# KiCad board pedalboard-hw.kicad_pcb (continued)
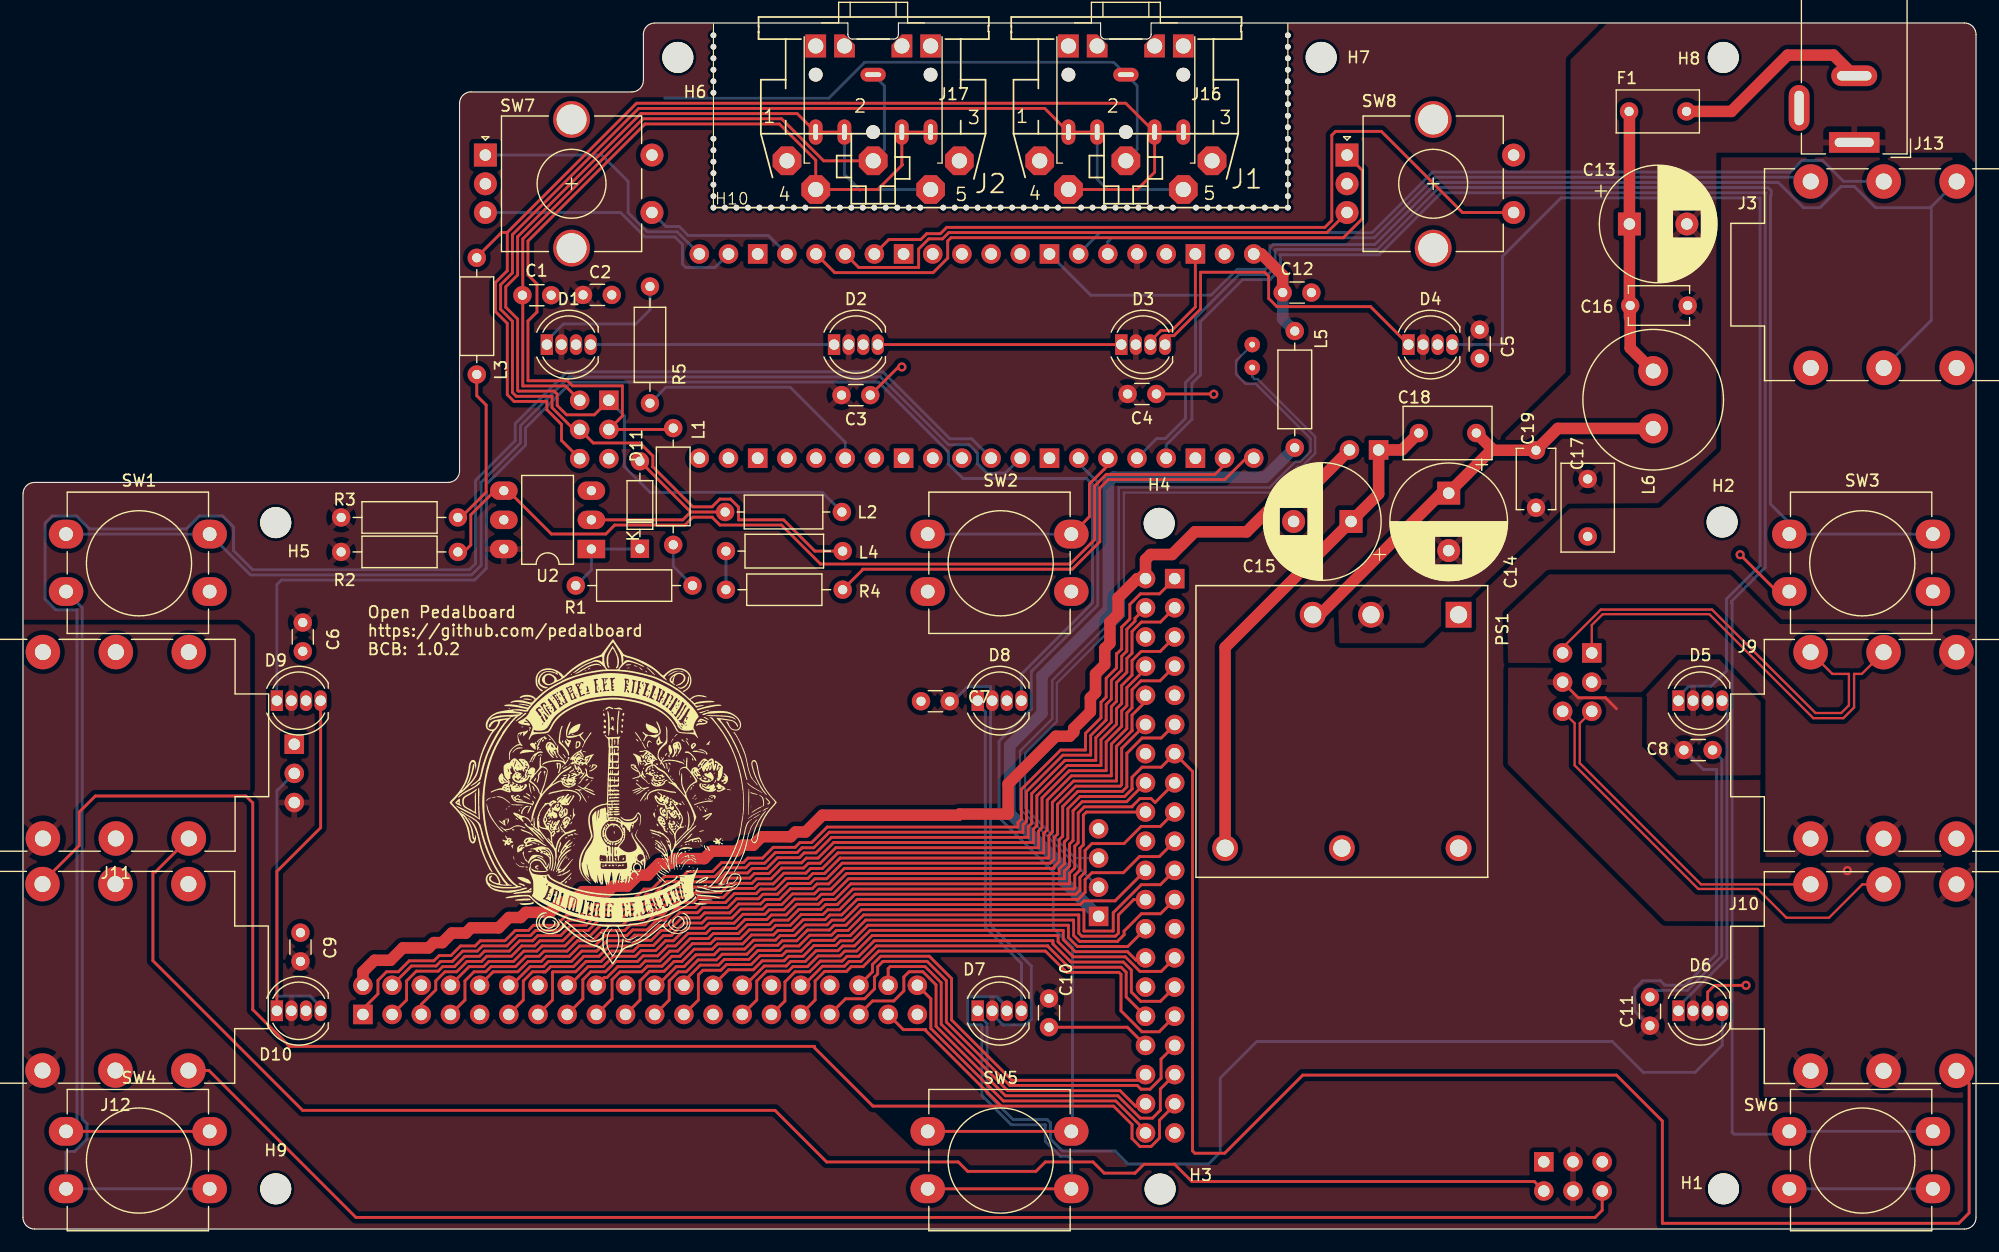
[diagram p0: board, top side]
## Nets
+3.3V: C2.1 C3.1 C4.1 C5.1 C6.1 C7.1 C8.1 C9.1 C10.1 C11.1 D1.2 D2.2 D3.2 D4.2 D5.2 D6.2 D7.2 D8.2 D9.2 D10.2 J4.3 R2.1 R3.1 U1.36 U2.6
+5VP: J7.2 J8.2 J14.2
/Audio/GND_in_L: J8.44 J10.RN J10.S J10.TN
/Audio/GND_in_R: J8.43 J9.RN J9.S J9.TN
/Audio/GND_out: J8.49 J8.50 J11.S J12.S
/MIDI/VBUS-flitered: C12.1 L5.1 U1.40
/Power Supply/vin: C14.1 C17.1 C18.1 L6.2 PS1.3
/VBUS: J6.1 L5.2
GND: C1.2 C2.2 C3.2 C4.2 C5.2 C6.2 C7.2 C8.2 C9.2 C10.2 C11.2 C12.2 C15.2 C19.1 D1.3 D2.3 D3.3 D4.3 D5.3 D6.3 D7.3 D8.3 D9.3 D10.3 J1.2 J4.1 J6.4 J7.6 J7.9 J7.14 J7.20 J7.25 J7.30 J7.34 J7.39 J8.6 J8.9 J8.14 J8.20 J8.25 J8.30 J8.34 J8.39 J15.5 J16.S PS1.6 SW1.2 SW2.2 SW3.2 SW4.2 SW5.2 SW6.2 SW7.C SW7.S2 SW8.C SW8.S2 U1.3 U1.8 U1.13 U1.18 U1.23 U1.28 U1.38 U2.5
/Audio/audio_in_stereo: J7.13 J8.13 J10.SN
/Audio/audio_out_stereo: J7.37 J8.37 J12.SN
/Audio/audio_pcm_clk: J7.12 J8.12
/Audio/audio_pcm_din: J7.38 J8.38
/Audio/audio_pcm_dout: J7.40 J8.40
/Audio/audio_pcm_fs: J7.35 J8.35
/Audio/conf_i2c_scl: J7.5 J8.5
/Audio/conf_i2c_sda: J7.3 J8.3
/Audio/in_L+: J8.45 J10.T
/Audio/in_L-: J8.46 J10.R
/Audio/in_R+: J8.42 J9.T
/Audio/in_R-: J8.41 J9.R
/Audio/USB_DN: J5.1 J6.2
/Audio/USB_DP: J5.2 J6.3
/MIDI/RGB_DATA: R5.1 U1.15
/MIDI/ROT_GAIN_A: SW8.A U1.25
/MIDI/ROT_GAIN_B: SW8.B U1.26
/MIDI/ROT_VOL_A: SW7.A U1.21
/MIDI/ROT_VOL_B: SW7.B U1.22
/MIDI/SW_A: SW4.1 U1.10
/MIDI/SW_B: SW5.1 U1.7
/MIDI/SW_C: SW6.1 U1.4
/MIDI/SW_D: SW1.1 U1.9
/MIDI/SW_E: SW2.1 U1.6
/MIDI/SW_F: SW3.1 U1.5
/MIDI/SW_GAIN: SW8.S1 U1.27
/MIDI/SW_VOL: SW7.S1 U1.24
/Power Supply/fused: C13.1 C16.1 F1.2 L6.1
/Power Supply/power_input_gnd: C13.2 C14.2 C16.2 C17.2 C19.2 J13.1 PS1.2
/Power Supply/unfused: F1.1 J13.2
/Power Supply/vo: C15.1 C18.2 J14.1 PS1.4
Net-(D1-DIN): D1.1 R5.2
Net-(D1-DOUT): D1.4 D2.1
Net-(D2-DOUT): D2.4 D3.1
Net-(D3-DOUT): D3.4 D4.1
Net-(D4-DOUT): D4.4 D5.1
Net-(D5-DOUT): D5.4 D6.1
Net-(D6-DOUT): D6.4 D7.1
Net-(D7-DOUT): D7.4 D8.1
Net-(D8-DOUT): D8.4 D9.1
Net-(D10-DIN): D9.4 D10.1
Net-(D10-DOUT): D10.4 J4.2
Net-(D11-A): D11.2 L2.2 U2.2
Net-(D11-K): D11.1 R1.2 U2.1
Net-(J7-3V3-Pad1): J7.1 J8.1
Net-(J7-3V3-Pad17): J7.17 J8.17
Net-(J7-5V-Pad4): J7.4 J8.4
Net-(J7-GCLK0/GPIO4): J7.7 J8.7
Net-(J7-GCLK1/GPIO5): J7.29 J8.29
Net-(J7-GCLK2/GPIO6): J7.31 J8.31
Net-(J7-GPIO14/TXD): J7.8 J8.8
Net-(J7-GPIO15/RXD): J7.10 J8.10
Net-(J7-GPIO16): J7.36 J8.36
Net-(J7-GPIO17): J7.11 J8.11
Net-(J7-GPIO22): J7.15 J8.15
Net-(J7-GPIO23): J7.16 J8.16
Net-(J7-GPIO24): J7.18 J8.18
Net-(J7-GPIO25): J7.22 J8.22
Net-(J7-ID_SC/GPIO1): J7.28 J8.28
Net-(J7-ID_SD/GPIO0): J7.27 J8.27
Net-(J7-MISO0/GPIO9): J7.21 J8.21
Net-(J7-MOSI0/GPIO10): J7.19 J8.19
Net-(J7-PWM0/GPIO12): J7.32 J8.32
Net-(J7-PWM1/GPIO13): J7.33 J8.33
Net-(J7-SCLK0/GPIO11): J7.23 J8.23
Net-(J7-~{CE0}/GPIO8): J7.24 J8.24
Net-(J7-~{CE1}/GPIO7): J7.26 J8.26
Net-(J8-out_L): J8.52 J12.T
Net-(J8-out_R): J8.48 J11.T
Net-(J15-Pin_1): J2.5 J15.1 J17.T J17.TN L2.1
Net-(J15-Pin_2): C1.1 J2.2 J15.2 J17.S
Net-(J15-Pin_3): J2.4 J15.3 J17.R J17.RN L1.1
Net-(J15-Pin_4): J1.5 J15.4 J16.T J16.TN L4.1
Net-(J15-Pin_6): J1.4 J15.6 J16.R J16.RN L3.1
Net-(L1-Pad2): L1.2 R1.1
Net-(L3-Pad2): L3.2 R3.2
Net-(L4-Pad2): L4.2 R4.1
Net-(U1-ADC_VREF): J3.T U1.35
Net-(U1-AGND): J3.RN J3.S U1.33
Net-(U1-GPIO0): R4.2 U1.1
Net-(U1-GPIO1): R2.2 U1.2 U2.4
Net-(U1-GPIO28_ADC2): J3.R U1.34

Pads without a net: J1 1 3 PE PE1 PE2 PE@; J2 1 3 PE PE1 PE2 PE@; J3 SN TN; J8 47 51; J9 SN; J11 R RN SN TN; J12 R RN TN; J13 3; PS1 1 5; SW7 MP; SW8 MP; U1 11 12 14 16 17 19 20 29 30 31 32 37 39; U2 3

## Via types
v1: diameter 0.8, hole 0.4, Top to Bottom, 5 vias

## Routing (per net, layer and track width the routed paths; a pad name or vN(x,y) marks a point on that pad's centre or on a via; arc(x,y) is an arc through that point)
+3.3V: length 69.8
  Bottom w0.25: C8.1 146.26,40.01 147.42,40.01 147.42,23.96 144.69,21.23 142.92,21.23 142.52,21.62 140.93,21.62 ; 141.62,17.63 140.3,18.95 140.3,20.92 140.93,21.55 ; 81.28,46.27 82.24,47.22 84.21,47.22 84.21,26.46 87.77,22.9 87.77,18.28 87.27,17.78 85.28,17.78 84.37,18.69
+5VP: length 112.8
  Top w1: J7.2 29.59,22.39 30.6,23.4 31.99,23.4 33.06,24.47 35.3,24.47 35.76,24.94 36.5,24.94 37.34,25.77 38.56,25.77 39.01,26.22 41.4,26.22 42.3,27.12 43.32,27.12 43.77,27.57 45.9,27.57 46.8,28.47 47.8,28.47 48.7,29.37 50.9,29.37 51.39,29.86 52.6,29.86 53.56,30.82 54.38,30.82 55.38,31.81 56.31,31.81 56.74,32.25 59.3,32.25 59.95,32.9 62.12,32.9 62.64,33.42 63.57,33.42 64.3,34.15 66.82,34.15 67.24,34.57 68.12,34.57 69.58,36.03 81.42,36.03 81.53,36.12 85.75,36.12 85.75,38.75 89.9,42.9 91.1,42.9 91.46,43.26 91.46,43.58 92.91,45.03 92.91,46.25 93.36,46.7 93.36,48.33 94.16,49.13 94.16,50.54 94.61,50.99 94.61,52.83 95.32,53.54 95.32,54.95 97,56.62 J8.2 ; J14.2 111.49,63.85 109.67,63.85 106.52,60.7 102,60.7 100.02,58.72 98.15,58.72 97.71,58.28 97.71,56.73
/Audio/GND_in_L: length 5.6
  Top w0.25: 138.7,45.3 137.75,46.25 135.38,46.25 J8.44
  vias: v1(158.8,31.2)
/MIDI/VBUS-flitered: length 8.6
  Top w1: U1.40 107.8,84.89 109.65,83.04 C12.1
  Bottom w1: L5.1 109.64,79.24 109.64,79.69 109.65,79.69 C12.1
/Power Supply/vin: length 37.6
  Top w1: 123.97,64.07 123.47,64.07 112.88,53.48 ; 127.8,67.8 C17.1 133.6,69.7 L6.2 ; 127.8,67.8 124.1,64.1 ; 127.8,67.8 127.8,68 C18.1
/VBUS: length 62
  Bottom w1: L5.2 108.14,65.46 94.92,65.46 94.47,65.01 94.47,53.93 88.69,48.15 88.69,44.9 85.89,42.09 85.89,36.18 90.6,31.47 90.6,30.24 J6.1
GND: length 233.2
  Top w0.25: v1(76.5,75.05) 76.2,75.05 C3.2 ; SW5.2 SW5.2 ; v1(149.47,58.71) 152.67,55.5 ; v1(149.98,21.22) 147.23,21.22 146.64,20.62 D6.3 ; J8.34 96.12,17.57 C10.2 ; U1.38 102.05,80.28 100,78.22 99.05,78.22 98.14,77.31 ; v1(103.65,72.68) 103.63,72.7 C4.2
  Bottom w0.25: 55.86,98.46 70.15,98.46 73.27,101.58 94.92,101.58 J16.S 96.97,99.53 96.97,93.97 J1.2 ; 84.73,20.22 85.64,19.31 ; C11.2 142.2,20.78 144.88,20.78 147.87,23.77 147.87,40.9 C8.2 ; SW1.2 5.15,54.1 5.15,9.58 5.57,9.15 5.57,7.85 4.49,6.76 3.84,6.76 3.75,6.67 SW4.2 SW4.2 ; 85.64,19.36 84.78,20.22 82.24,20.22 82.24,17.78 83.38,17.78 83.47,17.68 83.47,11.62 86.02,9.07 88.97,9.07 88.97,7.66 90.3,6.34 90.98,6.34 91.25,6.07 SW5.2 ; SW6.2 SW6.2
/Audio/audio_in_stereo: length 199.2
  Top w0.25: J7.13 46.09,19.94 46.09,22.37 46.11,22.39 48.11,22.39 49.01,23.3 50.32,23.3 51.22,24.19 53.12,24.19 53.61,24.68 54.88,24.68 55.74,25.55 56.43,25.55 57.52,26.64 59.09,26.64 59.53,27.07 61.7,27.07 62.48,27.85 64.39,27.85 64.78,28.25 66.05,28.25 66.98,29.18 68.89,29.18 69.3,29.59 70.33,29.59 71.68,30.95 90.2,30.95 90.2,31.35 90.65,31.8 90.65,33.71 90.95,34.01 90.95,36.6 92.01,37.65 95.88,37.65 96.56,38.33 96.53,38.36 96.53,39.33 97.41,40.21 99.08,40.21 J8.13 101.8,39.83 101.8,6.8 102,6.6 104.6,6.6 111.4,13.4 138.7,13.4 142.7,9.4 142.7,0.5 168.5,0.5 169.4,1.4 169.4,12.67 168.3,13.78
/Audio/audio_out_stereo: length 142.9
  Top w0.25: 85.15,10.7 78.58,17.28 78.58,17.36 76.63,17.36 J7.37 ; 85.15,10.7 73.98,10.7 68.9,15.78 68.9,15.9 23.2,15.9 20,19.1 20,37.1 19.4,37.7 6.3,37.7 4.9,36.3 4.9,33.4 1.7,30.2 ; 85.15,10.7 94.93,10.7 96.53,9.1 96.53,7.88 97.22,7.19 98.2,7.19 98.92,7.92 98.92,9.47 100.25,10.8
/Audio/audio_pcm_clk: length 69.1
  Top w0.25: 42.53,21.22 44.16,22.84 45.29,22.84 45.74,23.3 47.73,23.3 48.63,24.19 49.94,24.19 50.84,25.09 52.75,25.09 53.24,25.58 54.51,25.58 55.37,26.44 56.05,26.44 57.15,27.54 58.72,27.54 59.15,27.97 61.33,27.97 62.11,28.75 64.01,28.75 64.41,29.14 65.67,29.14 66.61,30.08 68.51,30.08 68.93,30.5 69.95,30.5 71.31,31.85 89.42,31.85 89.75,32.18 89.75,34.08 90.05,34.38 90.05,36.97 91.63,38.55 95.51,38.55 95.63,38.68 95.63,41.85 J8.12
/Audio/audio_pcm_din: length 30.9
  Top w0.25: 97.51,10.7 96.84,10.7 95.49,12.05 85.71,12.05 79.92,17.83 79.92,21.44 78.52,22.85 75.49,22.85 75.31,22.67 J7.38
/Audio/audio_pcm_dout: length 26.6
  Top w0.25: 97.71,8.56 95.12,11.15 85.34,11.15 79.03,17.46 79.03,20.05 J7.40
/Audio/audio_pcm_fs: length 39.8
  Top w0.25: J7.35 73.94,19.86 75.8,19.86 76.67,20.73 76.67,21.95 77.13,22.4 78.33,22.4 79.47,21.26 79.47,17.65 85.52,11.6 95.3,11.6 97.25,9.65 98.31,9.65 99,10.34 99,12.19 J8.35
/Audio/conf_i2c_scl: length 86.1
  Top w0.25: J7.5 34.67,19.56 35.93,20.82 35.93,21.6 36.72,22.39 37.75,22.39 38.65,23.3 39.92,23.3 40.37,23.75 42.51,23.75 43.41,24.64 44.55,24.64 45,25.09 46.99,25.09 47.89,26 49.2,26 50.1,26.89 52,26.89 52.49,27.38 53.76,27.38 54.62,28.25 55.31,28.25 56.4,29.34 57.97,29.34 58.41,29.77 60.59,29.77 61.36,30.55 63.27,30.55 63.66,30.94 64.93,30.94 65.86,31.88 67.77,31.88 68.18,32.3 69.21,32.3 70.56,33.65 87.95,33.65 87.95,34.83 88.25,35.13 88.25,37.72 90.89,40.35 93.83,40.35 93.83,42.59 95.19,43.94 95.19,45.3 95.64,45.75 95.64,47.32 96.53,48.22 96.53,49.49 97.33,50.28 98.99,50.28 J8.5
/Audio/conf_i2c_sda: length 90.5
  Top w0.25: J8.3 99.01,52.84 97.35,52.84 96.53,52.03 96.53,50.13 96.08,49.68 96.08,48.48 95.19,47.58 95.19,45.94 94.73,45.49 94.73,44.13 93.38,42.78 93.38,40.8 90.7,40.8 87.8,37.9 87.8,35.31 87.5,35.01 87.5,34.1 70.38,34.1 69.02,32.75 68,32.75 67.58,32.33 65.68,32.33 64.74,31.39 63.48,31.39 63.08,31 61.18,31 60.4,30.22 58.22,30.22 57.79,29.79 56.22,29.79 55.12,28.69 54.43,28.69 53.57,27.83 52.31,27.83 51.82,27.34 49.91,27.34 49.01,26.44 47.7,26.44 46.8,25.55 44.81,25.55 44.36,25.09 43.22,25.09 42.33,24.2 40.18,24.2 39.73,23.75 38.46,23.75 37.56,22.84 36.54,22.84 36.14,22.45 34.24,22.45 33.39,21.6 33.39,19.94 J7.3
/Audio/in_L+: length 29.4
  Top w0.2: J8.45 135.51,44.03 135.51,40.56 146.06,30 J10.T
/Audio/in_L-: length 38.7
  Top w0.2: J8.46 135.06,44.03 135.06,40.37 145.83,29.61 151,29.61 153.5,27.1 157.2,27.1 160.1,30 J10.R
/Audio/in_R+: length 37.2
  Top w0.2: J9.T 157.49,48.33 158.94,48.33 158.94,45.59 158.27,44.92 156.02,44.92 147.02,53.93 137.34,53.93 134.01,50.61
/Audio/in_R-: length 36.1
  Top w0.2: J9.R 160.06,48.33 159.38,48.33 159.38,45.41 158.45,44.47 155.84,44.47 146.78,53.53 137.51,53.53 136.56,52.58 J8.41
/Audio/USB_DN: length 72.3
  Bottom w0.2: J6.2 91.5,31.88 91.46,31.88 86.78,36.56 86.78,41.6 89.59,44.41 89.59,47.78 95.38,53.56 95.38,64.56 108.51,64.56 110.76,66.81 111.18,66.81 112.08,67.7 112.08,68.81 107.31,73.59 106.42,73.59 105.59,74.42 105.59,75.59 J5.1
/Audio/USB_DP: length 67.2
  Bottom w0.2: J5.2 107,74.2 107.21,73.99 107.47,73.99 112.48,68.98 112.48,67.54 111.3,66.35 110.94,66.35 108.7,64.11 95.82,64.11 95.82,53.37 90,47.54 90,44.18 87.23,41.42 87.23,36.67 91.61,32.3 J6.3
/MIDI/RGB_DATA: length 20.9
  Bottom w0.25: U1.15 71.57,68.5 66.78,73.28 55.97,73.28 R5.1
/MIDI/ROT_GAIN_A: length 57.1
  Top w0.25: U1.25 70.66,83.27 79.23,83.27 80.49,84.53 80.49,86.02 80.77,86.3 114.93,86.3 116.57,87.95 116.57,92.17 SW8.A
/MIDI/ROT_GAIN_B: length 47.1
  Top w0.25: U1.26 72.75,83.72 77.96,83.72 77.96,85.32 78.84,86.21 80.04,86.21 80.59,86.75 113.5,86.75 SW8.B
/MIDI/ROT_VOL_A: length 23.8
  Bottom w0.25: SW7.A 50.38,93.5 52.67,91.2 52.67,88.47 54.33,86.83 56.94,86.83 U1.21
/MIDI/ROT_VOL_B: length 24.6
  Bottom w0.25: U1.22 60.23,83.72 57.69,83.72 57.4,84.01 57.4,85.72 56.75,86.38 54.14,86.38 52.01,88.5 SW7.B
/MIDI/SW_A: length 170.1
  Top w0.25: SW4.1 SW4.1
  Bottom w0.25: U1.10 82.58,68.8 80.68,68.8 74.84,74.63 47.36,74.63 42.85,70.12 42.85,68.62 42.84,68.62 39.38,65.17 39.38,57.92 38.86,57.4 19.99,57.4 18.33,59.06 18.33,61.12 17.38,62.08 15.35,62.08 14.22,60.95 5.78,60.95 4.65,62.08 2.54,62.08 1.93,61.46 1.93,54.85 2.86,53.91 4.7,53.91 4.7,9.45 SW4.1
/MIDI/SW_B: length 77.5
  Top w0.25: SW5.1 SW5.1
  Bottom w0.25: 91.35,8.6 91.35,24.52 89.68,26.19 89.68,31.08 84.96,35.8 84.96,42.47 87.77,45.28 87.77,48.53 93.55,54.31 93.55,65.01 91.89,66.67
/MIDI/SW_C: length 168.1
  Bottom w0.25: SW6.1 SW6.1 ; 153.51,8.26 148.93,8.26 148.77,8.42 148.77,54.48 148.72,54.52 148.72,54.66 151.65,57.59 151.65,90.15 151.72,90.22 123.46,90.22 118.06,84.82 109.44,84.82 109.44,83.56 108.56,82.67 108.56,82.66 106.17,82.66 102.5,79 102.5,74.37 101.75,73.62 101.75,70.5 99.5,68.25 99.5,67.12
/MIDI/SW_D: length 101.3
  Bottom w0.25: SW1.1 SW1.1 19.8,56.95 39.05,56.95 39.88,57.78 39.88,65.02 43.3,68.44 43.3,69.94 47.55,74.19 74.66,74.19 80.56,68.28 82.33,68.28 83.09,67.52 83.09,66.62 83.91,65.81 85.51,65.81 U1.9
/MIDI/SW_E: length 19.8
  Top w0.25: 91.31,60.5 92.83,62.02 92.83,64.87 94.11,66.15 94.11,66.15 94.43,66.47
  Bottom w0.25: SW2.1 SW2.1
/MIDI/SW_F: length 112.7
  Bottom w0.25: U1.5 98.68,68.82 99.43,68.82 101.18,70.57 101.18,73.69 102.06,74.56 102.06,79.3 105.86,83.11 108.35,83.11 108.99,83.74 108.99,85.24 109.02,85.27 117.87,85.27 123.27,90.67 151.9,90.67 152.17,90.41 152.17,90.03 152.1,89.97 152.1,63.12 153.75,61.47 ; SW3.1 SW3.1
/MIDI/SW_GAIN: length 67.3
  Top w0.25: U1.27 75.37,86.15 78.15,86.15 78.66,86.66 79.85,86.66 80.4,87.2 113.32,87.2 113.93,87.81 113.93,95.23 114.25,95.56 118.24,95.56 125.3,88.5 SW8.S1
/MIDI/SW_VOL: length 13.2
  Bottom w0.25: U1.24 64.88,86.5 57.9,86.5 57.12,87.28 55.97,87.28 SW7.S1
/Power Supply/fused: length 23.5
  Top w1: 139.83,86.6 139.83,79.37 ; C13.1 139.83,97.27 ; L6.1 139.9,76.7 C16.1
/Power Supply/unfused: length 17.3
  Top w1: J13.2 157.6,102.2 153.6,102.2 148.7,97.3 144.9,97.3
/Power Supply/vo: length 44.3
  Top w1: PS1.4 104.64,50.64 C15.1 118,64 J14.1 120.03,67.83 C18.2
Net-(D1-DIN): length 12.1
  Bottom w0.25: R5.2 54.58,80.03 53.35,78.8 47.03,78.8 45.6,77.37
Net-(D1-DOUT): length 21.2
  Bottom w0.25: D1.4 D2.1
Net-(D2-DOUT): length 21.2
  Top w0.25: D2.4 D3.1
Net-(D3-DOUT): length 29.9
  Top w0.25: D3.4 99.41,77.78 100.19,77.78 102.5,80.09 102.5,83.3 108.08,83.3 108.43,82.96 108.43,81.02 109.14,80.31 117.29,80.31 D4.1
Net-(D4-DOUT): length 84.1
  Bottom w0.25: D4.4 128.79,77 128.79,84.69 133.87,89.77 151.2,89.77 151.2,57.77 148.28,54.85 148.28,48.58 146.95,47.26 145,47.26 144.1,46.36
Net-(D5-DOUT): length 28.6
  Bottom w0.25: D5.4 148.32,45.59 148.32,23.58 144.1,19.36
Net-(D6-DOUT): length 87.9
  Bottom w0.25: 141.09,13.65 145.56,13.65 147.91,16 D6.4 ; 95.11,6.72 96.18,5.66 103.2,5.66 104.21,6.66 104.21,13.14 107.41,16.33 138.33,16.33 141.09,13.58 ; 95.11,6.79 90.48,6.79 89.42,7.85 89.42,9.26 89.16,9.52 86.21,9.52 83.92,11.81 83.92,17.87 83.1,18.69
Net-(D7-DOUT): length 27.7
  Bottom w0.25: D7.4 86.91,23.12 83.76,26.27 83.76,45.03 83.51,45.28
Net-(D8-DOUT): length 119.3
  Bottom w0.25: D8.4 86.91,48.31 93.1,54.5 93.1,64.82 92.57,65.35 81.82,65.35 80.56,66.61 80.56,67.65 74.47,73.73 47.73,73.73 43.75,69.75 43.75,68.25 40.33,64.83 40.33,57.52 39.31,56.5 22.5,56.5 22.1,56.1 D9.1
Net-(D10-DIN): length 28.6
  Top w0.25: D10.1 22.1,31.13 25.91,34.94 D9.4
Net-(D10-DOUT): length 24.2
  Bottom w0.25: 22.1,38.2 22.1,20.28 24.99,20.28 25.91,19.36 ; J4.2 22.15,38.2
Net-(D11-A): length 18.2
  Top w0.25: D11.2 58.12,62.42 ; 58.12,62.42 57.44,61.74 U2.2 ; 58.12,62.42 L2.2
Net-(D11-K): length 7.9
  Bottom w0.25: 53.67,59.2 U2.1 49.47,57.38 R1.2
Net-(J7-3V3-Pad1): length 93.8
  Top w0.25: 29.59,19.16 30.9,20.47 30.9,21.65 31.64,22.39 32.67,22.39 33.62,23.35 35.77,23.35 36.23,23.81 37.25,23.81 38.09,24.64 39.36,24.64 39.81,25.1 41.96,25.1 42.85,26 43.99,26 44.44,26.44 46.43,26.44 47.33,27.34 48.64,27.34 49.54,28.25 51.44,28.25 51.93,28.73 53.2,28.73 54.06,29.59 54.75,29.59 55.84,30.69 57.41,30.69 57.85,31.12 60.03,31.12 60.8,31.9 62.71,31.9 63.1,32.3 64.37,32.3 65.3,33.23 67.21,33.23 67.62,33.64 68.65,33.64 70,35 86.6,35 86.6,35.38 86.9,35.68 86.9,38.28 90.33,41.7 92.48,41.7 92.48,43.15 93.83,44.5 93.83,45.86 94.28,46.31 94.28,47.95 95.19,48.85 95.19,50.12 ; J8.1 98.93,55.3 97.26,55.3 96.34,54.38 96.34,53.11 95.64,52.4 95.64,50.5 95.19,50.05
Net-(J7-3V3-Pad17): length 60.4
  Top w0.25: J8.17 99,35.05 97.33,35.05 95.84,33.56 93.05,33.56 92.45,32.96 92.45,31.06 92,30.61 92,29.5 91.65,29.15 72.43,29.15 71.07,27.8 70.05,27.8 69.63,27.38 67.73,27.38 66.79,26.44 65.53,26.44 65.13,26.05 63.23,26.05 62.45,25.27 60.27,25.27 59.84,24.84 58.27,24.84 57.17,23.75 56.48,23.75 55.62,22.88 54.36,22.88 53.87,22.39 51.96,22.39 51.28,21.71 51.28,20.05 J7.17
Net-(J7-5V-Pad4): length 85.8
  Top w0.25: J7.4 33.81,22.9 35.96,22.9 36.35,23.3 37.38,23.3 38.28,24.19 39.54,24.19 40,24.65 42.14,24.65 43.04,25.55 44.17,25.55 44.62,26 46.62,26 47.52,26.89 48.83,26.89 49.73,27.8 51.63,27.8 52.12,28.28 53.39,28.28 54.25,29.14 54.94,29.14 56.03,30.24 57.6,30.24 58.03,30.67 60.21,30.67 60.99,31.45 62.89,31.45 63.29,31.84 64.56,31.84 65.49,32.78 67.39,32.78 67.81,33.19 68.84,33.19 70.19,34.55 87.05,34.55 87.05,35.2 87.35,35.5 87.35,38.09 90.51,41.25 92.93,41.25 92.93,42.97 94.28,44.32 94.28,45.68 94.73,46.13 94.73,47.76 95.64,48.66 95.64,49.86 96.08,50.31 96.08,52.22 96.79,52.93 96.79,53.17 J8.4
Net-(J7-GCLK0/GPIO4): length 82.4
  Top w0.25: J8.7 98.97,47.72 97.31,47.72 96.53,46.95 96.53,45.38 96.08,44.93 96.08,43.57 94.73,42.22 94.73,39.45 91.26,39.45 89.15,37.34 89.15,34.75 88.85,34.45 88.85,32.75 70.94,32.75 69.58,31.39 68.56,31.39 68.14,30.98 66.24,30.98 65.3,30.05 64.03,30.05 63.64,29.65 61.74,29.65 60.96,28.87 58.78,28.87 58.35,28.44 56.78,28.44 55.68,27.34 54.99,27.34 54.13,26.48 52.87,26.48 52.38,26 50.47,26 49.57,25.09 48.26,25.09 47.36,24.19 45.37,24.19 44.92,23.75 43.78,23.75 42.88,22.84 40.74,22.84 40.29,22.39 39.26,22.39 38.47,21.6 38.47,19.94 J7.7
Net-(J7-GCLK1/GPIO5): length 42.7
  Top w0.25: J7.29 66.33,19.86 66.33,21.52 67.2,22.39 68.47,22.39 69.4,23.33 71.31,23.33 71.72,23.75 72.75,23.75 74.1,25.1 89.65,25.1 89.65,24.82 91.22,23.25 95.77,23.25 96.48,22.54 96.48,20.64 97.29,19.83 99.01,19.83 J8.29
Net-(J7-GCLK2/GPIO6): length 41.1
  Top w0.25: J7.31 68.95,19.94 68.95,21.6 69.78,22.43 71.68,22.43 72.1,22.84 73.12,22.84 74.48,24.2 88.99,24.2 90.85,22.34 95.4,22.34 95.58,22.17 95.58,19 97.4,17.17 98.9,17.17 J8.31
Net-(J7-GPIO14/TXD): length 77.5
  Top w0.25: J7.8 38.84,22.84 40.1,22.84 40.56,23.3 42.7,23.3 43.6,24.19 44.73,24.19 45.18,24.64 47.18,24.64 48.08,25.55 49.39,25.55 50.29,26.44 52.19,26.44 52.68,26.93 53.95,26.93 54.81,27.8 55.5,27.8 56.59,28.89 58.16,28.89 58.59,29.32 60.77,29.32 61.55,30.1 63.45,30.1 63.85,30.5 65.12,30.5 66.05,31.43 67.95,31.43 68.37,31.84 69.39,31.84 70.75,33.2 88.4,33.2 88.4,34.64 88.7,34.94 88.7,37.53 91.07,39.9 94.28,39.9 94.28,42.41 95.64,43.76 95.64,45.12 96.08,45.57 96.08,47.14 97.71,48.76
Net-(J7-GPIO15/RXD): length 73.4
  Top w0.25: J7.10 40.92,22.39 43.07,22.39 43.97,23.3 45.11,23.3 45.56,23.75 47.55,23.75 48.45,24.64 49.76,24.64 50.66,25.55 52.56,25.55 53.05,26.03 54.32,26.03 55.18,26.89 55.87,26.89 56.96,27.99 58.53,27.99 58.97,28.42 61.15,28.42 61.92,29.2 63.83,29.2 64.22,29.59 65.49,29.59 66.42,30.53 68.33,30.53 68.74,30.94 69.77,30.94 71.12,32.3 89.24,32.3 89.3,32.36 89.3,34.27 89.6,34.57 89.6,37.16 91.45,39 95.18,39 95.18,42.04 96.56,43.41 96.53,43.44 96.53,44.74 97.71,45.92
Net-(J7-GPIO16): length 32.5
  Top w0.25: J7.36 73.94,22.39 73.94,23.03 74.66,23.75 78.89,23.75 80.83,21.82 80.83,18.21 86.08,12.95 97.22,12.95
Net-(J7-GPIO17): length 73.8
  Top w0.25: J8.11 99.08,42.75 97.41,42.75 96.08,41.42 96.08,38.49 95.7,38.1 91.82,38.1 90.5,36.79 90.5,34.19 90.2,33.89 90.2,31.99 89.75,31.54 89.75,31.4 71.49,31.4 70.14,30.05 69.11,30.05 68.7,29.63 66.8,29.63 65.86,28.69 64.59,28.69 64.2,28.3 62.3,28.3 61.52,27.52 59.34,27.52 58.91,27.09 57.34,27.09 56.24,26 55.55,26 54.69,25.13 53.42,25.13 52.93,24.64 51.03,24.64 50.13,23.75 48.82,23.75 47.92,22.84 45.93,22.84 45.47,22.38 45.33,22.38 45.32,22.39 44.34,22.39 43.55,21.6 43.55,19.94 J7.11
Net-(J7-GPIO22): length 65.7
  Top w0.25: J7.15 48.73,20.05 48.73,21.71 49.42,22.39 50.69,22.39 51.59,23.3 53.49,23.3 53.98,23.78 55.25,23.78 56.11,24.64 56.8,24.64 57.9,25.74 59.47,25.74 59.9,26.17 62.08,26.17 62.85,26.95 64.76,26.95 65.15,27.34 66.42,27.34 67.35,28.28 69.26,28.28 69.67,28.69 70.7,28.69 72.05,30.05 91.1,30.05 91.1,30.98 91.55,31.43 91.55,33.33 91.85,33.63 91.85,36.23 92.38,36.75 96.53,36.75 96.53,36.79 97.22,37.48 98.2,37.48 98.54,37.14 J8.15
Net-(J7-GPIO23): length 60.5
  Top w0.25: 47.57,21.22 49.19,22.84 50.5,22.84 51.4,23.75 53.31,23.75 53.8,24.23 55.06,24.23 55.92,25.09 56.61,25.09 57.71,26.19 59.28,26.19 59.71,26.62 61.89,26.62 62.67,27.4 64.57,27.4 64.97,27.8 66.23,27.8 67.17,28.73 69.07,28.73 69.49,29.14 70.51,29.14 71.87,30.5 90.65,30.5 90.65,31.17 91.1,31.62 91.1,33.52 91.4,33.82 91.4,36.41 92.19,37.2 96.07,37.2 J8.16
Net-(J7-GPIO24): length 57.3
  Top w0.25: J7.18 50.58,21.89 50.83,21.89 51.78,22.84 53.68,22.84 54.17,23.33 55.44,23.33 56.3,24.19 56.99,24.19 58.08,25.29 59.65,25.29 60.08,25.72 62.26,25.72 63.04,26.5 64.94,26.5 65.34,26.89 66.61,26.89 67.54,27.83 69.44,27.83 69.86,28.25 70.89,28.25 72.24,29.6 91.47,29.6 91.55,29.68 91.55,30.79 92,31.24 92,33.15 92.3,33.45 92.3,36.04 92.56,36.3 J8.18
Net-(J7-GPIO25): length 46.6
  Top w0.25: 55.23,21.22 56.86,22.84 57.55,22.84 58.58,23.88 60.15,23.88 60.64,24.37 62.82,24.37 63.6,25.15 65.5,25.15 65.9,25.55 67.17,25.55 68.1,26.48 70,26.48 70.42,26.89 71.44,26.89 72.8,28.25 92.03,28.25 92.34,28.57 95.06,28.57 J8.22
Net-(J7-ID_SC/GPIO1): length 38.2
  Top w0.25: 62.85,21.22 64.53,22.9 66.44,22.9 66.83,23.3 68.1,23.3 69.03,24.23 70.94,24.23 71.35,24.64 72.38,24.64 73.73,26 90.55,26 90.55,25.19 91.59,24.14 96.14,24.14 96.89,23.4 97.51,23.4
Net-(J7-ID_SD/GPIO0): length 43.6
  Top w0.25: J8.27 99.08,22.43 97.22,22.43 95.96,23.69 91.41,23.69 90.1,25 90.1,25.55 73.92,25.55 72.56,24.19 71.54,24.19 71.12,23.78 69.22,23.78 68.28,22.84 67.02,22.84 66.62,22.45 64.72,22.45 63.87,21.6 63.87,19.94 J7.27
Net-(J7-MISO0/GPIO9): length 55
  Top w0.25: J7.21 56.25,19.94 56.25,21.6 57.04,22.39 57.73,22.39 58.77,23.43 60.37,23.43 60.86,23.92 63.01,23.92 63.79,24.7 65.69,24.7 66.08,25.09 67.35,25.09 68.29,26.03 70.19,26.03 70.61,26.44 71.63,26.44 72.99,27.8 92.35,27.8 92.35,25.94 94.9,25.94 94.9,27.54 97.34,29.97 99,29.97 J8.21
Net-(J7-MOSI0/GPIO10): length 55.7
  Top w0.25: J8.19 98.91,32.42 97.19,32.42 95.78,31.02 93.05,31.02 92.45,30.42 92.45,29.31 91.84,28.7 72.61,28.7 71.26,27.34 70.23,27.34 69.82,26.93 67.91,26.93 66.98,26 65.71,26 65.32,25.6 63.41,25.6 62.64,24.82 60.46,24.82 60,24.36 58.43,24.36 57.36,23.3 56.67,23.3 55.81,22.43 54.54,22.43 53.71,21.6 53.71,19.94 J7.19
Net-(J7-PWM0/GPIO12): length 35
  Top w0.25: 67.93,21.22 69.59,22.88 71.49,22.88 71.91,23.3 72.94,23.3 74.29,24.65 89.2,24.65 89.2,24.63 91.03,22.8 95.58,22.8 96.03,22.35 96.03,20.21 J8.32
Net-(J7-PWM1/GPIO13): length 42.2
  Top w0.25: J8.33 99.06,14.79 99.06,13.13 98.1,12.17 97.32,12.17 96.99,12.5 85.9,12.5 80.38,18.02 80.38,21.63 78.7,23.3 74.85,23.3 74.39,22.84 74.39,22.21 74.12,21.93 74.12,20.91 73.26,20.05 71.59,20.05 J7.33
Net-(J7-SCLK0/GPIO11): length 50.7
  Top w0.25: J7.23 58.79,19.94 58.79,22.13 59.19,22.53 60.74,22.53 61.24,23.02 63.38,23.02 64.16,23.8 66.06,23.8 66.46,24.19 67.72,24.19 68.66,25.13 70.56,25.13 70.98,25.55 72,25.55 73.36,26.9 91.45,26.9 91.45,25.56 91.97,25.05 95.27,25.05 95.84,25.62 95.84,25.94 97.35,27.45 99.02,27.45 J8.23
Net-(J7-~{CE0}/GPIO8): length 46.5
  Top w0.25: J8.24 96.68,28.68 95.35,27.35 95.35,25.76 95.09,25.5 92.16,25.5 91.9,25.76 91.9,27.35 73.17,27.35 71.82,26 70.79,26 70.38,25.58 68.47,25.58 67.54,24.64 66.27,24.64 65.88,24.25 63.97,24.25 63.2,23.47 61.05,23.47 60.56,22.98 58.95,22.98 57.53,21.56
Net-(J7-~{CE1}/GPIO7): length 41.8
  Top w0.25: J8.26 96.16,24.59 91.78,24.59 91,25.37 91,26.45 73.55,26.45 72.19,25.09 71.16,25.09 70.75,24.68 68.85,24.68 67.91,23.75 66.64,23.75 66.25,23.35 64.35,23.35 63.57,22.57 61.42,22.57 J7.26
Net-(J8-out_L): length 130.3
  Top w0.25: J12.T 16.19,13.8 28.98,1.01 136.84,1.01 137.46,1.63 J8.52
Net-(J8-out_R): length 142.8
  Top w0.25: J11.T 11.52,31.09 11.31,31.09 11.31,23.36 24.34,10.33 65.46,10.33 69.95,5.84 81.41,5.84 82.23,5.02 88.17,5.02 88.99,5.84 93.14,5.84 94.11,4.87 96.76,4.87 96.78,4.85 97.57,5.64 100.24,5.64 101.74,4.14 131.55,4.14 J8.48
Net-(J15-Pin_1): length 96.4
  Top w0.25: J15.1 49.73,70.88 47.31,70.88 46.5,71.7 46.5,72.69 46.24,72.95 43.12,72.95 43.05,73.01 43.05,79.22 42.02,80.25 42.02,82.03 43.05,83.06 43.05,86.39 53.78,97.11 67.39,97.11 J17.T J17.TN
  Bottom w0.25: J15.1 52.34,70.81 52.34,66.38 54.58,64.13 69.57,64.13 L2.1 ; J17.TN 71.5,91.81 72.86,90.46 72.89,90.5 J2.5
Net-(J15-Pin_2): length 62.9
  Top w0.25: J2.2 69.69,93 66.03,96.66 53.96,96.66 43.51,86.2 43.51,81.33 ; 43.51,81.27 43.51,73.4 47.21,73.4 J15.2
  Bottom w0.25: J17.S 74.97,99.53 74.97,93.97 J2.2
Net-(J15-Pin_3): length 77.9
  Top w0.25: J17.R J17.RN 76.5,92.72 76.56,92.66 74.39,90.5 J2.4 69.01,93.05 65.85,96.21 54.15,96.21 43.95,86.01 43.95,83.06 44.74,82.28 44.74,79.84 43.95,79.05 43.95,73.85 47.4,73.85 47.84,73.41 52.17,73.41 52.17,70.78 J15.3 56.48,69.61
Net-(J15-Pin_4): length 119.2
  Top w0.25: L4.1 68.93,59.02 66.21,61.74 62.28,61.74 62.28,62.86 61.59,63.55 60.65,63.55 59.98,62.88 58.31,62.88 54.81,66.37 54.83,66.38 54.83,67.31 53.7,68.44 49.64,68.44 J15.4 ; 47.95,69.61 46.05,71.51 46.05,72.5 42.93,72.5 42.6,72.83 42.6,79.03 41.58,80.06 41.58,82.21 42.6,83.24 42.6,86.57 53.59,97.56 88.94,97.56 J16.T J16.TN
  Bottom w0.25: J1.5 94.42,90.5 93.5,91.41 J16.TN
Net-(J15-Pin_6): length 104.5
  Top w0.25: J16.RN J16.R ; J16.RN 98.5,92 97,90.5 J1.4 ; J16.RN 95.99,98.01 53.41,98.01 42.16,86.76 ; 42.16,86.76 42.16,83.43 41.12,82.4 41.12,79.88 42.16,78.85 42.16,72.64 42.74,72.05 45.6,72.05 45.6,71.33 46.88,70.05 46.88,68.65 J15.6 ; 42.16,86.76 41.66,86.76 39.5,84.6
Net-(L1-Pad2): length 4.2
  Bottom w0.25: R1.1 56.6,57.7 L1.2
Net-(L3-Pad2): length 13.7
  Top w0.25: 39.5,74.4 39.5,72.55 40.31,71.73 40.31,64.15 38.11,61.95
Net-(L4-Pad2): length 3.4
  Bottom w0.25: L4.2 R4.1
Net-(U1-ADC_VREF): length 64.2
  Bottom w0.25: 155.25,91.57 122.9,91.57 117.62,86.3 94.78,86.3 94.43,85.95 U1.35
Net-(U1-AGND): length 104.5
  Bottom w0.25: J3.RN 166.11,79.11 166.11,88.99 ; 166.11,88.99 166.04,88.92 161.25,88.92 159.42,90.76 158.25,90.76 156.42,88.92 154.98,88.92 152.78,91.12 123.08,91.12 117.68,85.72 108.83,85.72 108.54,85.43 108.54,83.95 108.15,83.56 105.68,83.56 103.42,81.3 92.94,81.3 U1.33 ; 166.11,88.99 J3.S
Net-(U1-GPIO0): length 42.6
  Top w0.25: 106.47,67.11 104.61,65.25 94.48,65.25 93.73,64.5 93.73,59.83 91.34,57.44 73.09,57.44 73.09,57.4 R4.2
Net-(U1-GPIO1): length 79
  Top w0.25: 38.38,58.95 38.98,59.55 38.98,62.18 41.08,64.28 ; 42.23,64.28 46,60.51 50.73,60.51 51.51,61.29 57.62,61.29 58.31,61.98 60,61.98 60,61.96 60.66,61.29 66.02,61.29 69.42,57.89 91.16,57.89 93.28,60.02 93.28,64.69 94.29,65.7 103.76,65.7 104.59,66.53
Net-(U1-GPIO28_ADC2): length 74.2
  Bottom w0.25: 161.96,91.21 158.46,91.21 158.46,91.22 156.66,93.03 154.86,93.03 153.85,92.02 122.71,92.02 117.44,86.75 93.75,86.75 U1.34

## Copper pours and planes (outline as drawn; the poured copper is in the pictures)
+3.3V on Top: 38.01,105 0,105 0.01,0.01 170.01,0.01 170.01,105.01 110,105.01 110,89 60,89 60,105.01
/Audio/GND_in_L on Top, Bottom: 135.15,46.34 135.15,48.86 129.26,48.88 129.24,40.48 142.91,26.8 151.5,26.78 151.5,11.51 170.11,11.41 170,26.75 169.98,31.9 151.2,31.9 151.22,39.1 149,39.08 143.91,39.08 140.93,42.03 140.95,46.32
/Audio/GND_in_R on Top, Bottom: 136.01,48.9 129.27,49.01 129.19,53.56 132.84,57 148.59,57 152.92,52.67 170,52.67 169.99,32.39 151.67,32.39 151.66,46.05 147.81,50.02 143.96,49.97 140.89,46.72 136.84,46.72 135.92,47.01
/Audio/GND_out on Top, Bottom: 0,0 -0.05,10.46 -0.06,52.99 -0.42,52.64 18.7,52.64 19.78,51.66 19.78,18.93 23.13,15.58 68.31,15.81 77.52,6.94 94.63,6.94 96.07,5.62 103.94,5.58 111.23,13.16 138.7,13.19 142.49,9.4 142.49,0
GND on Bottom: 0,105 0,0 170,0 170,104.8 169.8,105 110,105 110,89 60,89 60,105
/Power Supply/power_input_gnd on Top: 170,92.7 170,105 137.9,105 134.7,101.8 134.7,74.41 114.47,54.65 114.58,51 121.86,51 134.48,63.14 142.32,63.19 147.4,67.95 147.4,93.7 169,93.7

## Text on the board
B.Silkscreen: ${TITLE} / ${COMPANY} / BCB: ${REVISION}
F.Silkscreen: ${TITLE} / ${COMPANY} / BCB: ${REVISION}
